# EAGLE board 14202-RedBoard-Panel (EAGLE 9.0.1), part 1 of 6 (continued)
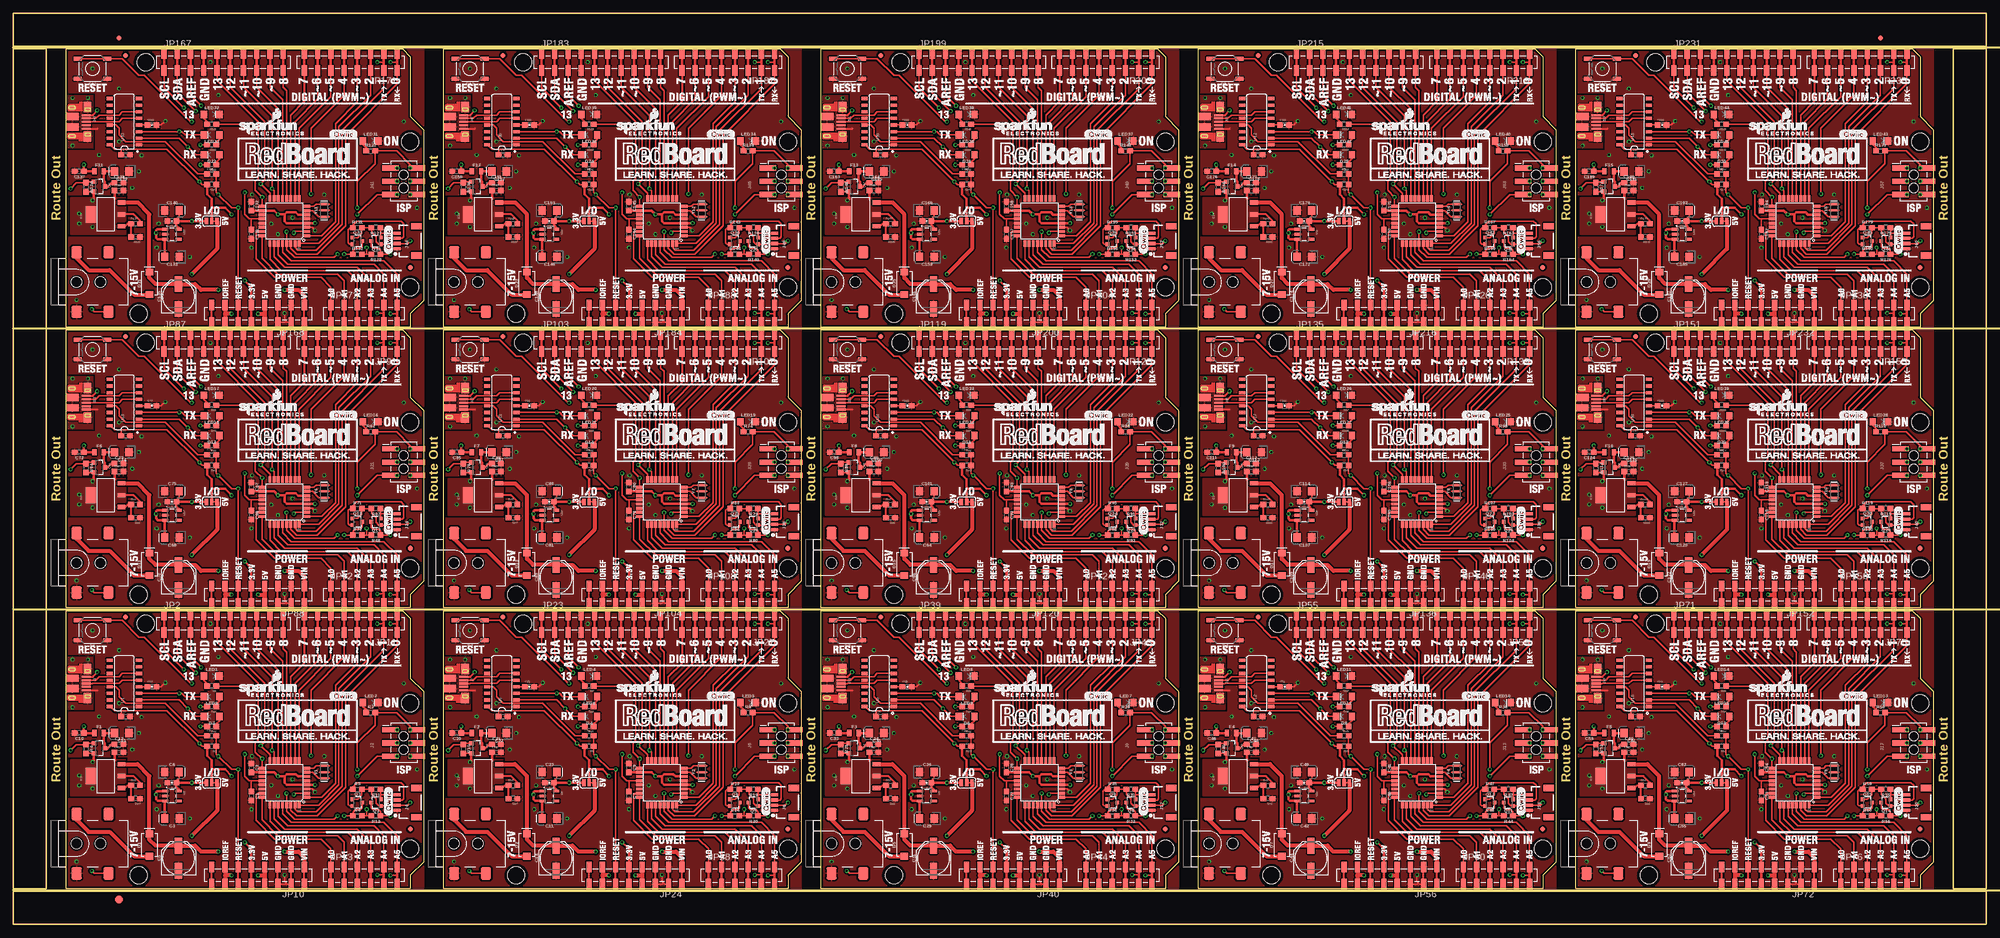
[diagram p0: board, top side]
## Placement (x,y rotation side) (continued)
JP10  [1X08_SMD_COMBINED]  55.88,9.4 180 top
JP11  JP11  [1X08_SMD_COMBINED@1]  73.66,57.66 180 top
JP12  [SMT-JUMPER_2_NC_TRACE_SILK]  72.39,19.18 270 bottom
JP13  [1X06_SMD_STRAIGHT_COMBO]  60.96,9.4 0 top
JP14  [SMT-JUMPER_2_NC_TRACE_SILK]  63.5,19.18 270 bottom
JP15  FIDUCIAL1X2  [FIDUCIAL-1X2]  21.59,58.93 0 bottom
JP16  FIDUCIAL1X2  [FIDUCIAL-1X2]  76.2,18.29 0 bottom
JP17  STAND-OFF  [STAND-OFF]  96.52,9.4 0 top
JP18  STAND-OFF  [STAND-OFF]  148.59,14.48 0 top
JP19  STAND-OFF  [STAND-OFF]  148.59,42.42 0 top
JP20  STAND-OFF  [STAND-OFF]  97.79,57.66 0 top
JP21  FIDUCIAL1X2  [FIDUCIAL-1X2]  148.59,18.29 0 top
JP22  FIDUCIAL1X2  [FIDUCIAL-1X2]  93.98,58.93 0 top
JP23  M10SMD_COMBO  [1X10_SMD_COMBINED]  101.35,57.66 0 top
JP24  [1X08_SMD_COMBINED]  128.27,9.4 180 top
JP25  SFE_LOGO_NAME.1_INCH  [SFE_LOGO_NAME_.1]  115.34,43.31 0 top
JP26  SFE_LOGO_FLAME.1_INCH  [SFE_LOGO_FLAME_.1]  121.82,45.85 0 top
JP27  JP11  [1X08_SMD_COMBINED@1]  146.05,57.66 180 top
JP28  [1X06_SMD_STRAIGHT_COMBO]  133.35,9.4 0 top
JP29  [SMT-JUMPER_2_NC_TRACE_SILK]  144.78,19.18 270 bottom
JP30  [SMT-JUMPER_2_NC_TRACE_SILK]  135.89,19.18 270 bottom
JP31  FIDUCIAL1X2  [FIDUCIAL-1X2]  93.98,58.93 0 bottom
JP32  FIDUCIAL1X2  [FIDUCIAL-1X2]  148.59,18.29 0 bottom
JP33  STAND-OFF  [STAND-OFF]  168.91,9.4 0 top
JP34  STAND-OFF  [STAND-OFF]  220.98,14.48 0 top
JP35  STAND-OFF  [STAND-OFF]  220.98,42.42 0 top
JP36  STAND-OFF  [STAND-OFF]  170.18,57.66 0 top
JP37  FIDUCIAL1X2  [FIDUCIAL-1X2]  220.98,18.29 0 top
JP38  FIDUCIAL1X2  [FIDUCIAL-1X2]  166.37,58.93 0 top
JP39  M10SMD_COMBO  [1X10_SMD_COMBINED]  173.74,57.66 0 top
JP40  [1X08_SMD_COMBINED]  200.66,9.4 180 top
JP41  SFE_LOGO_NAME.1_INCH  [SFE_LOGO_NAME_.1]  187.73,43.31 0 top
JP42  SFE_LOGO_FLAME.1_INCH  [SFE_LOGO_FLAME_.1]  194.21,45.85 0 top
JP43  JP11  [1X08_SMD_COMBINED@1]  218.44,57.66 180 top
JP44  [1X06_SMD_STRAIGHT_COMBO]  205.74,9.4 0 top
JP45  [SMT-JUMPER_2_NC_TRACE_SILK]  217.17,19.18 270 bottom
JP46  [SMT-JUMPER_2_NC_TRACE_SILK]  208.28,19.18 270 bottom
JP47  FIDUCIAL1X2  [FIDUCIAL-1X2]  166.37,58.93 0 bottom
JP48  FIDUCIAL1X2  [FIDUCIAL-1X2]  220.98,18.29 0 bottom
JP49  STAND-OFF  [STAND-OFF]  241.3,9.4 0 top
JP50  STAND-OFF  [STAND-OFF]  293.37,14.48 0 top
JP51  STAND-OFF  [STAND-OFF]  293.37,42.42 0 top
JP52  STAND-OFF  [STAND-OFF]  242.57,57.66 0 top
JP53  FIDUCIAL1X2  [FIDUCIAL-1X2]  293.37,18.29 0 top
JP54  FIDUCIAL1X2  [FIDUCIAL-1X2]  238.76,58.93 0 top
JP55  M10SMD_COMBO  [1X10_SMD_COMBINED]  246.13,57.66 0 top
JP56  [1X08_SMD_COMBINED]  273.05,9.4 180 top
JP57  SFE_LOGO_NAME.1_INCH  [SFE_LOGO_NAME_.1]  260.12,43.31 0 top
JP58  SFE_LOGO_FLAME.1_INCH  [SFE_LOGO_FLAME_.1]  266.6,45.85 0 top
JP59  JP11  [1X08_SMD_COMBINED@1]  290.83,57.66 180 top
JP60  [1X06_SMD_STRAIGHT_COMBO]  278.13,9.4 0 top
JP61  [SMT-JUMPER_2_NC_TRACE_SILK]  289.56,19.18 270 bottom
JP62  [SMT-JUMPER_2_NC_TRACE_SILK]  280.67,19.18 270 bottom
JP63  FIDUCIAL1X2  [FIDUCIAL-1X2]  238.76,58.93 0 bottom
JP64  FIDUCIAL1X2  [FIDUCIAL-1X2]  293.37,18.29 0 bottom
JP65  STAND-OFF  [STAND-OFF]  313.69,9.4 0 top
JP66  STAND-OFF  [STAND-OFF]  365.76,14.48 0 top
JP67  STAND-OFF  [STAND-OFF]  365.76,42.42 0 top
JP68  STAND-OFF  [STAND-OFF]  314.96,57.66 0 top
JP69  FIDUCIAL1X2  [FIDUCIAL-1X2]  365.76,18.29 0 top
JP70  FIDUCIAL1X2  [FIDUCIAL-1X2]  311.15,58.93 0 top
JP71  M10SMD_COMBO  [1X10_SMD_COMBINED]  318.52,57.66 0 top
JP72  [1X08_SMD_COMBINED]  345.44,9.4 180 top
JP73  SFE_LOGO_NAME.1_INCH  [SFE_LOGO_NAME_.1]  332.51,43.31 0 top
JP74  SFE_LOGO_FLAME.1_INCH  [SFE_LOGO_FLAME_.1]  338.99,45.85 0 top
JP75  JP11  [1X08_SMD_COMBINED@1]  363.22,57.66 180 top
JP76  [1X06_SMD_STRAIGHT_COMBO]  350.52,9.4 0 top
JP77  [SMT-JUMPER_2_NC_TRACE_SILK]  361.95,19.18 270 bottom
JP78  [SMT-JUMPER_2_NC_TRACE_SILK]  353.06,19.18 270 bottom
JP79  FIDUCIAL1X2  [FIDUCIAL-1X2]  311.15,58.93 0 bottom
JP80  FIDUCIAL1X2  [FIDUCIAL-1X2]  365.76,18.29 0 bottom
JP81  STAND-OFF  [STAND-OFF]  24.13,63.25 0 top
JP82  STAND-OFF  [STAND-OFF]  76.2,68.33 0 top
JP83  STAND-OFF  [STAND-OFF]  76.2,96.27 0 top
JP84  STAND-OFF  [STAND-OFF]  25.4,111.51 0 top
JP85  FIDUCIAL1X2  [FIDUCIAL-1X2]  76.2,72.14 0 top
JP86  FIDUCIAL1X2  [FIDUCIAL-1X2]  21.59,112.78 0 top
JP87  M10SMD_COMBO  [1X10_SMD_COMBINED]  28.96,111.51 0 top
JP88  [1X08_SMD_COMBINED]  55.88,63.25 180 top
JP89  SFE_LOGO_NAME.1_INCH  [SFE_LOGO_NAME_.1]  42.95,97.16 0 top
JP90  SFE_LOGO_FLAME.1_INCH  [SFE_LOGO_FLAME_.1]  49.43,99.7 0 top
JP91  JP11  [1X08_SMD_COMBINED@1]  73.66,111.51 180 top
JP92  [1X06_SMD_STRAIGHT_COMBO]  60.96,63.25 0 top
JP93  [SMT-JUMPER_2_NC_TRACE_SILK]  72.39,73.03 270 bottom
JP94  [SMT-JUMPER_2_NC_TRACE_SILK]  63.5,73.03 270 bottom
JP95  FIDUCIAL1X2  [FIDUCIAL-1X2]  21.59,112.78 0 bottom
JP96  FIDUCIAL1X2  [FIDUCIAL-1X2]  76.2,72.14 0 bottom
JP97  STAND-OFF  [STAND-OFF]  96.52,63.25 0 top
JP98  STAND-OFF  [STAND-OFF]  148.59,68.33 0 top
JP99  STAND-OFF  [STAND-OFF]  148.59,96.27 0 top
JP100  STAND-OFF  [STAND-OFF]  97.79,111.51 0 top
JP101  FIDUCIAL1X2  [FIDUCIAL-1X2]  148.59,72.14 0 top
JP102  FIDUCIAL1X2  [FIDUCIAL-1X2]  93.98,112.78 0 top
JP103  M10SMD_COMBO  [1X10_SMD_COMBINED]  101.35,111.51 0 top
JP104  [1X08_SMD_COMBINED]  128.27,63.25 180 top
JP105  SFE_LOGO_NAME.1_INCH  [SFE_LOGO_NAME_.1]  115.34,97.16 0 top
JP106  SFE_LOGO_FLAME.1_INCH  [SFE_LOGO_FLAME_.1]  121.82,99.7 0 top
JP107  JP11  [1X08_SMD_COMBINED@1]  146.05,111.51 180 top
JP108  [1X06_SMD_STRAIGHT_COMBO]  133.35,63.25 0 top
JP109  [SMT-JUMPER_2_NC_TRACE_SILK]  144.78,73.03 270 bottom
JP110  [SMT-JUMPER_2_NC_TRACE_SILK]  135.89,73.03 270 bottom
JP111  FIDUCIAL1X2  [FIDUCIAL-1X2]  93.98,112.78 0 bottom
JP112  FIDUCIAL1X2  [FIDUCIAL-1X2]  148.59,72.14 0 bottom
JP113  STAND-OFF  [STAND-OFF]  168.91,63.25 0 top
JP114  STAND-OFF  [STAND-OFF]  220.98,68.33 0 top
JP115  STAND-OFF  [STAND-OFF]  220.98,96.27 0 top
JP116  STAND-OFF  [STAND-OFF]  170.18,111.51 0 top
JP117  FIDUCIAL1X2  [FIDUCIAL-1X2]  220.98,72.14 0 top
JP118  FIDUCIAL1X2  [FIDUCIAL-1X2]  166.37,112.78 0 top
JP119  M10SMD_COMBO  [1X10_SMD_COMBINED]  173.74,111.51 0 top
JP120  [1X08_SMD_COMBINED]  200.66,63.25 180 top
JP121  SFE_LOGO_NAME.1_INCH  [SFE_LOGO_NAME_.1]  187.73,97.16 0 top
JP122  SFE_LOGO_FLAME.1_INCH  [SFE_LOGO_FLAME_.1]  194.21,99.7 0 top
JP123  JP11  [1X08_SMD_COMBINED@1]  218.44,111.51 180 top
JP124  [1X06_SMD_STRAIGHT_COMBO]  205.74,63.25 0 top
JP125  [SMT-JUMPER_2_NC_TRACE_SILK]  217.17,73.03 270 bottom
JP126  [SMT-JUMPER_2_NC_TRACE_SILK]  208.28,73.03 270 bottom
JP127  FIDUCIAL1X2  [FIDUCIAL-1X2]  166.37,112.78 0 bottom
JP128  FIDUCIAL1X2  [FIDUCIAL-1X2]  220.98,72.14 0 bottom
JP129  STAND-OFF  [STAND-OFF]  241.3,63.25 0 top
JP130  STAND-OFF  [STAND-OFF]  293.37,68.33 0 top
JP131  STAND-OFF  [STAND-OFF]  293.37,96.27 0 top
JP132  STAND-OFF  [STAND-OFF]  242.57,111.51 0 top
JP133  FIDUCIAL1X2  [FIDUCIAL-1X2]  293.37,72.14 0 top
JP134  FIDUCIAL1X2  [FIDUCIAL-1X2]  238.76,112.78 0 top
JP135  M10SMD_COMBO  [1X10_SMD_COMBINED]  246.13,111.51 0 top
JP136  [1X08_SMD_COMBINED]  273.05,63.25 180 top
JP137  SFE_LOGO_NAME.1_INCH  [SFE_LOGO_NAME_.1]  260.12,97.16 0 top
JP138  SFE_LOGO_FLAME.1_INCH  [SFE_LOGO_FLAME_.1]  266.6,99.7 0 top
JP139  JP11  [1X08_SMD_COMBINED@1]  290.83,111.51 180 top
JP140  [1X06_SMD_STRAIGHT_COMBO]  278.13,63.25 0 top
JP141  [SMT-JUMPER_2_NC_TRACE_SILK]  289.56,73.03 270 bottom
JP142  [SMT-JUMPER_2_NC_TRACE_SILK]  280.67,73.03 270 bottom
JP143  FIDUCIAL1X2  [FIDUCIAL-1X2]  238.76,112.78 0 bottom
JP144  FIDUCIAL1X2  [FIDUCIAL-1X2]  293.37,72.14 0 bottom
JP145  STAND-OFF  [STAND-OFF]  313.69,63.25 0 top
JP146  STAND-OFF  [STAND-OFF]  365.76,68.33 0 top
JP147  STAND-OFF  [STAND-OFF]  365.76,96.27 0 top
JP148  STAND-OFF  [STAND-OFF]  314.96,111.51 0 top
JP149  FIDUCIAL1X2  [FIDUCIAL-1X2]  365.76,72.14 0 top
JP150  FIDUCIAL1X2  [FIDUCIAL-1X2]  311.15,112.78 0 top
JP151  M10SMD_COMBO  [1X10_SMD_COMBINED]  318.52,111.51 0 top
JP152  [1X08_SMD_COMBINED]  345.44,63.25 180 top
JP153  SFE_LOGO_NAME.1_INCH  [SFE_LOGO_NAME_.1]  332.51,97.16 0 top
JP154  SFE_LOGO_FLAME.1_INCH  [SFE_LOGO_FLAME_.1]  338.99,99.7 0 top
JP155  JP11  [1X08_SMD_COMBINED@1]  363.22,111.51 180 top
JP156  [1X06_SMD_STRAIGHT_COMBO]  350.52,63.25 0 top
JP157  [SMT-JUMPER_2_NC_TRACE_SILK]  361.95,73.03 270 bottom
JP158  [SMT-JUMPER_2_NC_TRACE_SILK]  353.06,73.03 270 bottom
JP159  FIDUCIAL1X2  [FIDUCIAL-1X2]  311.15,112.78 0 bottom
JP160  FIDUCIAL1X2  [FIDUCIAL-1X2]  365.76,72.14 0 bottom
JP161  STAND-OFF  [STAND-OFF]  24.13,117.09 0 top
JP162  STAND-OFF  [STAND-OFF]  76.2,122.17 0 top
JP163  STAND-OFF  [STAND-OFF]  76.2,150.11 0 top
JP164  STAND-OFF  [STAND-OFF]  25.4,165.35 0 top
JP165  FIDUCIAL1X2  [FIDUCIAL-1X2]  76.2,125.98 0 top
JP166  FIDUCIAL1X2  [FIDUCIAL-1X2]  21.59,166.62 0 top
JP167  M10SMD_COMBO  [1X10_SMD_COMBINED]  28.96,165.35 0 top
JP168  [1X08_SMD_COMBINED]  55.88,117.09 180 top
JP169  SFE_LOGO_NAME.1_INCH  [SFE_LOGO_NAME_.1]  42.95,151 0 top
JP170  SFE_LOGO_FLAME.1_INCH  [SFE_LOGO_FLAME_.1]  49.43,153.54 0 top
JP171  JP11  [1X08_SMD_COMBINED@1]  73.66,165.35 180 top
JP172  [1X06_SMD_STRAIGHT_COMBO]  60.96,117.09 0 top
JP173  [SMT-JUMPER_2_NC_TRACE_SILK]  72.39,126.87 270 bottom
JP174  [SMT-JUMPER_2_NC_TRACE_SILK]  63.5,126.87 270 bottom
JP175  FIDUCIAL1X2  [FIDUCIAL-1X2]  21.59,166.62 0 bottom
JP176  FIDUCIAL1X2  [FIDUCIAL-1X2]  76.2,125.98 0 bottom
JP177  STAND-OFF  [STAND-OFF]  96.52,117.09 0 top
JP178  STAND-OFF  [STAND-OFF]  148.59,122.17 0 top
JP179  STAND-OFF  [STAND-OFF]  148.59,150.11 0 top
JP180  STAND-OFF  [STAND-OFF]  97.79,165.35 0 top
JP181  FIDUCIAL1X2  [FIDUCIAL-1X2]  148.59,125.98 0 top
JP182  FIDUCIAL1X2  [FIDUCIAL-1X2]  93.98,166.62 0 top
JP183  M10SMD_COMBO  [1X10_SMD_COMBINED]  101.35,165.35 0 top
JP184  [1X08_SMD_COMBINED]  128.27,117.09 180 top
JP185  SFE_LOGO_NAME.1_INCH  [SFE_LOGO_NAME_.1]  115.34,151 0 top
JP186  SFE_LOGO_FLAME.1_INCH  [SFE_LOGO_FLAME_.1]  121.82,153.54 0 top
JP187  JP11  [1X08_SMD_COMBINED@1]  146.05,165.35 180 top
JP188  [1X06_SMD_STRAIGHT_COMBO]  133.35,117.09 0 top
JP189  [SMT-JUMPER_2_NC_TRACE_SILK]  144.78,126.87 270 bottom
JP190  [SMT-JUMPER_2_NC_TRACE_SILK]  135.89,126.87 270 bottom
JP191  FIDUCIAL1X2  [FIDUCIAL-1X2]  93.98,166.62 0 bottom
JP192  FIDUCIAL1X2  [FIDUCIAL-1X2]  148.59,125.98 0 bottom
JP193  STAND-OFF  [STAND-OFF]  168.91,117.09 0 top
JP194  STAND-OFF  [STAND-OFF]  220.98,122.17 0 top
JP195  STAND-OFF  [STAND-OFF]  220.98,150.11 0 top
JP196  STAND-OFF  [STAND-OFF]  170.18,165.35 0 top
JP197  FIDUCIAL1X2  [FIDUCIAL-1X2]  220.98,125.98 0 top
JP198  FIDUCIAL1X2  [FIDUCIAL-1X2]  166.37,166.62 0 top
JP199  M10SMD_COMBO  [1X10_SMD_COMBINED]  173.74,165.35 0 top
JP200  [1X08_SMD_COMBINED]  200.66,117.09 180 top
JP201  SFE_LOGO_NAME.1_INCH  [SFE_LOGO_NAME_.1]  187.73,151 0 top
JP202  SFE_LOGO_FLAME.1_INCH  [SFE_LOGO_FLAME_.1]  194.21,153.54 0 top
JP203  JP11  [1X08_SMD_COMBINED@1]  218.44,165.35 180 top
JP204  [1X06_SMD_STRAIGHT_COMBO]  205.74,117.09 0 top
JP205  [SMT-JUMPER_2_NC_TRACE_SILK]  217.17,126.87 270 bottom
JP206  [SMT-JUMPER_2_NC_TRACE_SILK]  208.28,126.87 270 bottom
JP207  FIDUCIAL1X2  [FIDUCIAL-1X2]  166.37,166.62 0 bottom
JP208  FIDUCIAL1X2  [FIDUCIAL-1X2]  220.98,125.98 0 bottom
JP209  STAND-OFF  [STAND-OFF]  241.3,117.09 0 top
JP210  STAND-OFF  [STAND-OFF]  293.37,122.17 0 top
JP211  STAND-OFF  [STAND-OFF]  293.37,150.11 0 top
JP212  STAND-OFF  [STAND-OFF]  242.57,165.35 0 top
JP213  FIDUCIAL1X2  [FIDUCIAL-1X2]  293.37,125.98 0 top
JP214  FIDUCIAL1X2  [FIDUCIAL-1X2]  238.76,166.62 0 top
JP215  M10SMD_COMBO  [1X10_SMD_COMBINED]  246.13,165.35 0 top
JP216  [1X08_SMD_COMBINED]  273.05,117.09 180 top
JP217  SFE_LOGO_NAME.1_INCH  [SFE_LOGO_NAME_.1]  260.12,151 0 top
JP218  SFE_LOGO_FLAME.1_INCH  [SFE_LOGO_FLAME_.1]  266.6,153.54 0 top
JP219  JP11  [1X08_SMD_COMBINED@1]  290.83,165.35 180 top
JP220  [1X06_SMD_STRAIGHT_COMBO]  278.13,117.09 0 top
JP221  [SMT-JUMPER_2_NC_TRACE_SILK]  289.56,126.87 270 bottom
JP222  [SMT-JUMPER_2_NC_TRACE_SILK]  280.67,126.87 270 bottom
JP223  FIDUCIAL1X2  [FIDUCIAL-1X2]  238.76,166.62 0 bottom
JP224  FIDUCIAL1X2  [FIDUCIAL-1X2]  293.37,125.98 0 bottom
JP225  STAND-OFF  [STAND-OFF]  313.69,117.09 0 top
JP226  STAND-OFF  [STAND-OFF]  365.76,122.17 0 top
JP227  STAND-OFF  [STAND-OFF]  365.76,150.11 0 top
JP228  STAND-OFF  [STAND-OFF]  314.96,165.35 0 top
JP229  FIDUCIAL1X2  [FIDUCIAL-1X2]  365.76,125.98 0 top
JP230  FIDUCIAL1X2  [FIDUCIAL-1X2]  311.15,166.62 0 top
JP231  M10SMD_COMBO  [1X10_SMD_COMBINED]  318.52,165.35 0 top
JP232  [1X08_SMD_COMBINED]  345.44,117.09 180 top
JP233  SFE_LOGO_NAME.1_INCH  [SFE_LOGO_NAME_.1]  332.51,151 0 top
JP234  SFE_LOGO_FLAME.1_INCH  [SFE_LOGO_FLAME_.1]  338.99,153.54 0 top
JP235  JP11  [1X08_SMD_COMBINED@1]  363.22,165.35 180 top
JP236  [1X06_SMD_STRAIGHT_COMBO]  350.52,117.09 0 top
JP237  [SMT-JUMPER_2_NC_TRACE_SILK]  361.95,126.87 270 bottom
JP238  [SMT-JUMPER_2_NC_TRACE_SILK]  353.06,126.87 270 bottom
JP239  FIDUCIAL1X2  [FIDUCIAL-1X2]  311.15,166.62 0 bottom
JP240  FIDUCIAL1X2  [FIDUCIAL-1X2]  365.76,125.98 0 bottom
LED1  Blue  [LED-1206-HIDDENSILK]  38.1,47.62 0 top
LED2  GREEN  [LED-1206-HIDDENSILK]  68.58,42.54 0 top
LED3  GREEN  [LED-1206-HIDDENSILK]  140.97,42.54 0 top
LED4  Blue  [LED-1206-HIDDENSILK]  110.49,47.62 0 top
LED5  GREEN  [LED-1206-HIDDENSILK]  38.1,43.69 180 top
LED6  GREEN  [LED-1206-HIDDENSILK]  110.49,43.69 180 top
LED7  GREEN  [LED-1206-HIDDENSILK]  213.36,42.54 0 top
LED8  Blue  [LED-1206-HIDDENSILK]  182.88,47.62 0 top
LED9  GREEN  [LED-1206-HIDDENSILK]  182.88,43.69 180 top
LED10  GREEN  [LED-1206-HIDDENSILK]  285.75,42.54 0 top
LED11  Blue  [LED-1206-HIDDENSILK]  255.27,47.62 0 top
LED12  GREEN  [LED-1206-HIDDENSILK]  255.27,43.69 180 top
LED13  GREEN  [LED-1206-HIDDENSILK]  358.14,42.54 0 top
LED14  Blue  [LED-1206-HIDDENSILK]  327.66,47.62 0 top
LED15  GREEN  [LED-1206-HIDDENSILK]  327.66,43.69 180 top
LED16  GREEN  [LED-1206-HIDDENSILK]  68.58,96.39 0 top
LED17  Blue  [LED-1206-HIDDENSILK]  38.1,101.47 0 top
LED18  GREEN  [LED-1206-HIDDENSILK]  38.1,97.54 180 top
LED19  GREEN  [LED-1206-HIDDENSILK]  140.97,96.39 0 top
LED20  Blue  [LED-1206-HIDDENSILK]  110.49,101.47 0 top
LED21  GREEN  [LED-1206-HIDDENSILK]  110.49,97.54 180 top
LED22  GREEN  [LED-1206-HIDDENSILK]  213.36,96.39 0 top
LED23  Blue  [LED-1206-HIDDENSILK]  182.88,101.47 0 top
LED24  GREEN  [LED-1206-HIDDENSILK]  182.88,97.54 180 top
LED25  GREEN  [LED-1206-HIDDENSILK]  285.75,96.39 0 top
LED26  Blue  [LED-1206-HIDDENSILK]  255.27,101.47 0 top
LED27  GREEN  [LED-1206-HIDDENSILK]  255.27,97.54 180 top
LED28  GREEN  [LED-1206-HIDDENSILK]  358.14,96.39 0 top
LED29  Blue  [LED-1206-HIDDENSILK]  327.66,101.47 0 top
LED30  GREEN  [LED-1206-HIDDENSILK]  327.66,97.54 180 top
LED31  GREEN  [LED-1206-HIDDENSILK]  68.58,150.24 0 top
LED32  Blue  [LED-1206-HIDDENSILK]  38.1,155.32 0 top
LED33  GREEN  [LED-1206-HIDDENSILK]  38.1,151.38 180 top
LED34  GREEN  [LED-1206-HIDDENSILK]  140.97,150.24 0 top
LED35  Blue  [LED-1206-HIDDENSILK]  110.49,155.32 0 top
LED36  GREEN  [LED-1206-HIDDENSILK]  110.49,151.38 180 top
LED37  GREEN  [LED-1206-HIDDENSILK]  213.36,150.24 0 top
LED38  Blue  [LED-1206-HIDDENSILK]  182.88,155.32 0 top
LED39  GREEN  [LED-1206-HIDDENSILK]  182.88,151.38 180 top
LED40  GREEN  [LED-1206-HIDDENSILK]  285.75,150.24 0 top
LED41  Blue  [LED-1206-HIDDENSILK]  255.27,155.32 0 top
LED42  GREEN  [LED-1206-HIDDENSILK]  255.27,151.38 180 top
LED43  GREEN  [LED-1206-HIDDENSILK]  358.14,150.24 0 top
LED44  Blue  [LED-1206-HIDDENSILK]  327.66,155.32 0 top
LED45  GREEN  [LED-1206-HIDDENSILK]  327.66,151.38 180 top
Q1  1A/60V/500mΩ  [SOT23-3]  16.51,33.78 270 top
Q2  2N7002PW  [SOT323]  69.6,23.37 90 top
Q3  2N7002PW  [SOT323]  66.04,23.37 270 top
Q4  1A/60V/500mΩ  [SOT23-3]  88.9,33.78 270 top
Q5  2N7002PW  [SOT323]  141.99,23.37 90 top
Q6  2N7002PW  [SOT323]  138.43,23.37 270 top
Q7  1A/60V/500mΩ  [SOT23-3]  161.29,33.78 270 top
Q8  2N7002PW  [SOT323]  214.38,23.37 90 top
Q9  2N7002PW  [SOT323]  210.82,23.37 270 top
Q10  1A/60V/500mΩ  [SOT23-3]  233.68,33.78 270 top
Q11  2N7002PW  [SOT323]  286.77,23.37 90 top
Q12  2N7002PW  [SOT323]  283.21,23.37 270 top
Q13  1A/60V/500mΩ  [SOT23-3]  306.07,33.78 270 top
Q14  2N7002PW  [SOT323]  359.16,23.37 90 top
Q15  2N7002PW  [SOT323]  355.6,23.37 270 top
Q16  1A/60V/500mΩ  [SOT23-3]  16.51,87.63 270 top
Q17  2N7002PW  [SOT323]  69.6,77.22 90 top
Q18  2N7002PW  [SOT323]  66.04,77.22 270 top
Q19  1A/60V/500mΩ  [SOT23-3]  88.9,87.63 270 top
Q20  2N7002PW  [SOT323]  141.99,77.22 90 top
Q21  2N7002PW  [SOT323]  138.43,77.22 270 top
Q22  1A/60V/500mΩ  [SOT23-3]  161.29,87.63 270 top
Q23  2N7002PW  [SOT323]  214.38,77.22 90 top
Q24  2N7002PW  [SOT323]  210.82,77.22 270 top
Q25  1A/60V/500mΩ  [SOT23-3]  233.68,87.63 270 top
Q26  2N7002PW  [SOT323]  286.77,77.22 90 top
Q27  2N7002PW  [SOT323]  283.21,77.22 270 top
Q28  1A/60V/500mΩ  [SOT23-3]  306.07,87.63 270 top
Q29  2N7002PW  [SOT323]  359.16,77.22 90 top
Q30  2N7002PW  [SOT323]  355.6,77.22 270 top
Q31  1A/60V/500mΩ  [SOT23-3]  16.51,141.48 270 top
Q32  2N7002PW  [SOT323]  69.6,131.06 90 top
Q33  2N7002PW  [SOT323]  66.04,131.06 270 top
Q34  1A/60V/500mΩ  [SOT23-3]  88.9,141.48 270 top
Q35  2N7002PW  [SOT323]  141.99,131.06 90 top
Q36  2N7002PW  [SOT323]  138.43,131.06 270 top
Q37  1A/60V/500mΩ  [SOT23-3]  161.29,141.48 270 top
Q38  2N7002PW  [SOT323]  214.38,131.06 90 top
Q39  2N7002PW  [SOT323]  210.82,131.06 270 top
Q40  1A/60V/500mΩ  [SOT23-3]  233.68,141.48 270 top
Q41  2N7002PW  [SOT323]  286.77,131.06 90 top
Q42  2N7002PW  [SOT323]  283.21,131.06 270 top
Q43  1A/60V/500mΩ  [SOT23-3]  306.07,141.48 270 top
Q44  2N7002PW  [SOT323]  359.16,131.06 90 top
Q45  2N7002PW  [SOT323]  355.6,131.06 270 top
R1  4.7k  [0603]  38.1,45.72 180 top
R2  10k  [0603]  68.58,40.64 0 top
R3  10k  [0603]  38.1,34.16 180 top
R4  10k  [0603]  13.97,33.66 270 top
R5  2.2k  [0603]  66.04,25.91 0 top
R6  2.2k  [0603]  66.04,20.83 0 top
R7  4.7k  [0603]  110.49,45.72 180 top
R8  10k  [0603]  140.97,40.64 0 top
R9  10k  [0603]  110.49,34.16 180 top
R10  10k  [0603]  86.36,33.66 270 top
R11  2.2k  [0603]  69.6,25.91 180 top
R12  4.7k  [0603]  38.1,37.97 180 top
R13  2.2k  [0603]  69.6,20.83 180 top
R14  715  [0603]  23.5,24.13 180 top
R15  240  [0603]  23.5,26.67 0 top
R16  4.7k  [0603]  38.1,41.78 180 top
R17  715  [0603]  95.88,24.13 180 top
R18  240  [0603]  95.88,26.67 0 top
R19  2.2k  [0603]  141.99,25.91 180 top
R20  2.2k  [0603]  141.99,20.83 180 top
R21  4.7k  [0603]  110.49,37.97 180 top
R22  4.7k  [0603]  110.49,41.78 180 top
R23  2.2k  [0603]  138.43,25.91 0 top
R24  2.2k  [0603]  138.43,20.83 0 top
R25  4.7k  [0603]  182.88,45.72 180 top
R26  10k  [0603]  213.36,40.64 0 top
R27  10k  [0603]  182.88,34.16 180 top
R28  10k  [0603]  158.75,33.66 270 top
R29  715  [0603]  168.28,24.13 180 top
R30  240  [0603]  168.28,26.67 0 top
R31  2.2k  [0603]  214.38,25.91 180 top
R32  2.2k  [0603]  214.38,20.83 180 top
R33  4.7k  [0603]  182.88,37.97 180 top
R34  4.7k  [0603]  182.88,41.78 180 top
R35  2.2k  [0603]  210.82,25.91 0 top
R36  2.2k  [0603]  210.82,20.83 0 top
R37  4.7k  [0603]  255.27,45.72 180 top
R38  10k  [0603]  285.75,40.64 0 top
R39  10k  [0603]  255.27,34.16 180 top
R40  10k  [0603]  231.14,33.66 270 top
R41  715  [0603]  240.66,24.13 180 top
R42  240  [0603]  240.66,26.67 0 top
R43  2.2k  [0603]  286.77,25.91 180 top
R44  2.2k  [0603]  286.77,20.83 180 top
R45  4.7k  [0603]  255.27,37.97 180 top
R46  4.7k  [0603]  255.27,41.78 180 top
R47  2.2k  [0603]  283.21,25.91 0 top
R48  2.2k  [0603]  283.21,20.83 0 top
R49  4.7k  [0603]  327.66,45.72 180 top
R50  10k  [0603]  358.14,40.64 0 top
R51  10k  [0603]  327.66,34.16 180 top
R52  10k  [0603]  303.53,33.66 270 top
R53  715  [0603]  313.06,24.13 180 top
R54  240  [0603]  313.06,26.67 0 top
R55  2.2k  [0603]  359.16,25.91 180 top
R56  2.2k  [0603]  359.16,20.83 180 top
R57  4.7k  [0603]  327.66,37.97 180 top
R58  4.7k  [0603]  327.66,41.78 180 top
R59  2.2k  [0603]  355.6,25.91 0 top
R60  2.2k  [0603]  355.6,20.83 0 top
R61  4.7k  [0603]  38.1,99.57 180 top
R62  10k  [0603]  68.58,94.49 0 top
R63  10k  [0603]  38.1,88.01 180 top
R64  10k  [0603]  13.97,87.5 270 top
R65  715  [0603]  23.5,77.98 180 top
R66  240  [0603]  23.5,80.52 0 top
R67  2.2k  [0603]  69.6,79.76 180 top
R68  2.2k  [0603]  69.6,74.68 180 top
R69  4.7k  [0603]  38.1,91.82 180 top
R70  4.7k  [0603]  38.1,95.63 180 top
R71  2.2k  [0603]  66.04,79.76 0 top
R72  2.2k  [0603]  66.04,74.68 0 top
R73  4.7k  [0603]  110.49,99.57 180 top
R74  10k  [0603]  140.97,94.49 0 top
R75  10k  [0603]  110.49,88.01 180 top
R76  10k  [0603]  86.36,87.5 270 top
R77  715  [0603]  95.88,77.98 180 top
R78  240  [0603]  95.88,80.52 0 top
R79  2.2k  [0603]  141.99,79.76 180 top
R80  2.2k  [0603]  141.99,74.68 180 top
R81  4.7k  [0603]  110.49,91.82 180 top
R82  4.7k  [0603]  110.49,95.63 180 top
R83  2.2k  [0603]  138.43,79.76 0 top
R84  2.2k  [0603]  138.43,74.68 0 top
R85  4.7k  [0603]  182.88,99.57 180 top
R86  10k  [0603]  213.36,94.49 0 top
R87  10k  [0603]  182.88,88.01 180 top
R88  10k  [0603]  158.75,87.5 270 top
R89  715  [0603]  168.28,77.98 180 top
R90  240  [0603]  168.28,80.52 0 top
R91  2.2k  [0603]  214.38,79.76 180 top
R92  2.2k  [0603]  214.38,74.68 180 top
R93  4.7k  [0603]  182.88,91.82 180 top
R94  4.7k  [0603]  182.88,95.63 180 top
R95  2.2k  [0603]  210.82,79.76 0 top
R96  2.2k  [0603]  210.82,74.68 0 top
R97  4.7k  [0603]  255.27,99.57 180 top
R98  10k  [0603]  285.75,94.49 0 top
R99  10k  [0603]  255.27,88.01 180 top
R100  10k  [0603]  231.14,87.5 270 top
R101  715  [0603]  240.66,77.98 180 top
R102  240  [0603]  240.66,80.52 0 top
R103  2.2k  [0603]  286.77,79.76 180 top
R104  2.2k  [0603]  286.77,74.68 180 top
R105  4.7k  [0603]  255.27,91.82 180 top
R106  4.7k  [0603]  255.27,95.63 180 top
R107  2.2k  [0603]  283.21,79.76 0 top
R108  2.2k  [0603]  283.21,74.68 0 top
R109  4.7k  [0603]  327.66,99.57 180 top
R110  10k  [0603]  358.14,94.49 0 top
R111  10k  [0603]  327.66,88.01 180 top
R112  10k  [0603]  303.53,87.5 270 top
R113  715  [0603]  313.06,77.98 180 top
R114  240  [0603]  313.06,80.52 0 top
R115  2.2k  [0603]  359.16,79.76 180 top
R116  2.2k  [0603]  359.16,74.68 180 top
R117  4.7k  [0603]  327.66,91.82 180 top
R118  4.7k  [0603]  327.66,95.63 180 top
R119  2.2k  [0603]  355.6,79.76 0 top
R120  2.2k  [0603]  355.6,74.68 0 top
R121  4.7k  [0603]  38.1,153.42 180 top
R122  10k  [0603]  68.58,148.34 0 top
R123  10k  [0603]  38.1,141.86 180 top
R124  10k  [0603]  13.97,141.35 270 top
R125  715  [0603]  23.5,131.83 180 top
R126  240  [0603]  23.5,134.37 0 top
R127  2.2k  [0603]  69.6,133.6 180 top
R128  2.2k  [0603]  69.6,128.52 180 top
R129  4.7k  [0603]  38.1,145.67 180 top
R130  4.7k  [0603]  38.1,149.48 180 top
R131  2.2k  [0603]  66.04,133.6 0 top
R132  2.2k  [0603]  66.04,128.52 0 top
R133  4.7k  [0603]  110.49,153.42 180 top
R134  10k  [0603]  140.97,148.34 0 top
R135  10k  [0603]  110.49,141.86 180 top
R136  10k  [0603]  86.36,141.35 270 top
R137  715  [0603]  95.88,131.83 180 top
R138  240  [0603]  95.88,134.37 0 top
R139  2.2k  [0603]  141.99,133.6 180 top
R140  2.2k  [0603]  141.99,128.52 180 top
R141  4.7k  [0603]  110.49,145.67 180 top
R142  4.7k  [0603]  110.49,149.48 180 top
R143  2.2k  [0603]  138.43,133.6 0 top
R144  2.2k  [0603]  138.43,128.52 0 top
R145  4.7k  [0603]  182.88,153.42 180 top
R146  10k  [0603]  213.36,148.34 0 top
R147  10k  [0603]  182.88,141.86 180 top
R148  10k  [0603]  158.75,141.35 270 top
R149  715  [0603]  168.28,131.83 180 top
R150  240  [0603]  168.28,134.37 0 top
R151  2.2k  [0603]  214.38,133.6 180 top
R152  2.2k  [0603]  214.38,128.52 180 top
R153  4.7k  [0603]  182.88,145.67 180 top
R154  4.7k  [0603]  182.88,149.48 180 top
R155  2.2k  [0603]  210.82,133.6 0 top
R156  2.2k  [0603]  210.82,128.52 0 top
R157  4.7k  [0603]  255.27,153.42 180 top
R158  10k  [0603]  285.75,148.34 0 top
R159  10k  [0603]  255.27,141.86 180 top
R160  10k  [0603]  231.14,141.35 270 top
R161  715  [0603]  240.66,131.83 180 top
R162  240  [0603]  240.66,134.37 0 top
R163  2.2k  [0603]  286.77,133.6 180 top
R164  2.2k  [0603]  286.77,128.52 180 top
R165  4.7k  [0603]  255.27,145.67 180 top
R166  4.7k  [0603]  255.27,149.48 180 top
R167  2.2k  [0603]  283.21,133.6 0 top
R168  2.2k  [0603]  283.21,128.52 0 top
R169  4.7k  [0603]  327.66,153.42 180 top
R170  10k  [0603]  358.14,148.34 0 top
R171  10k  [0603]  327.66,141.86 180 top
R172  10k  [0603]  303.53,141.35 270 top
R173  715  [0603]  313.06,131.83 180 top
R174  240  [0603]  313.06,134.37 0 top
R175  2.2k  [0603]  359.16,133.6 180 top
R176  2.2k  [0603]  359.16,128.52 180 top
R177  4.7k  [0603]  327.66,145.67 180 top
R178  4.7k  [0603]  327.66,149.48 180 top
R179  2.2k  [0603]  355.6,133.6 0 top
R180  2.2k  [0603]  355.6,128.52 0 top
S1  RESET  [TACTILE_SWITCH_SMD_5.2MM]  15.24,56.39 180 top
S2  RESET  [TACTILE_SWITCH_SMD_5.2MM]  87.63,56.39 180 top
S3  RESET  [TACTILE_SWITCH_SMD_5.2MM]  160.02,56.39 180 top
S4  RESET  [TACTILE_SWITCH_SMD_5.2MM]  232.41,56.39 180 top
S5  RESET  [TACTILE_SWITCH_SMD_5.2MM]  304.8,56.39 180 top
S6  RESET  [TACTILE_SWITCH_SMD_5.2MM]  15.24,110.24 180 top
S7  RESET  [TACTILE_SWITCH_SMD_5.2MM]  87.63,110.24 180 top
S8  RESET  [TACTILE_SWITCH_SMD_5.2MM]  160.02,110.24 180 top
S9  RESET  [TACTILE_SWITCH_SMD_5.2MM]  232.41,110.24 180 top
S10  RESET  [TACTILE_SWITCH_SMD_5.2MM]  304.8,110.24 180 top
S11  RESET  [TACTILE_SWITCH_SMD_5.2MM]  15.24,164.08 180 top
S12  RESET  [TACTILE_SWITCH_SMD_5.2MM]  87.63,164.08 180 top
S13  RESET  [TACTILE_SWITCH_SMD_5.2MM]  160.02,164.08 180 top
S14  RESET  [TACTILE_SWITCH_SMD_5.2MM]  232.41,164.08 180 top
S15  RESET  [TACTILE_SWITCH_SMD_5.2MM]  304.8,164.08 180 top
TP1  TP-3x5  [PAD.03X.05]  76.2,37.34 0 bottom
TP2  TP-3x5  [PAD.03X.05]  76.2,34.8 0 bottom
TP3  TP-3x5  [PAD.03X.05]  76.2,32.26 0 bottom
TP4  TP-3x5  [PAD.03X.05]  73.66,37.34 0 bottom
TP5  TP-3x5  [PAD.03X.05]  73.66,34.8 0 bottom
TP6  TP-3x5  [PAD.03X.05]  73.66,32.26 0 bottom
TP7  TP-3x5  [PAD.03X.05]  148.59,37.34 0 bottom
TP8  TP-3x5  [PAD.03X.05]  148.59,34.8 0 bottom
TP9  TP-3x5  [PAD.03X.05]  148.59,32.26 0 bottom
TP10  TP-3x5  [PAD.03X.05]  146.05,37.34 0 bottom
TP11  TP-3x5  [PAD.03X.05]  146.05,34.8 0 bottom
TP12  TP-3x5  [PAD.03X.05]  146.05,32.26 0 bottom
TP13  TP-3x5  [PAD.03X.05]  220.98,37.34 0 bottom
TP14  TP-3x5  [PAD.03X.05]  220.98,34.8 0 bottom
TP15  TP-3x5  [PAD.03X.05]  220.98,32.26 0 bottom
TP16  TP-3x5  [PAD.03X.05]  218.44,37.34 0 bottom
TP17  TP-3x5  [PAD.03X.05]  218.44,34.8 0 bottom
TP18  TP-3x5  [PAD.03X.05]  218.44,32.26 0 bottom
TP19  TP-3x5  [PAD.03X.05]  293.37,37.34 0 bottom
TP20  TP-3x5  [PAD.03X.05]  293.37,34.8 0 bottom
TP21  TP-3x5  [PAD.03X.05]  293.37,32.26 0 bottom
TP22  TP-3x5  [PAD.03X.05]  290.83,37.34 0 bottom
TP23  TP-3x5  [PAD.03X.05]  290.83,34.8 0 bottom
TP24  TP-3x5  [PAD.03X.05]  290.83,32.26 0 bottom
TP25  TP-3x5  [PAD.03X.05]  365.76,37.34 0 bottom
TP26  TP-3x5  [PAD.03X.05]  365.76,34.8 0 bottom
TP27  TP-3x5  [PAD.03X.05]  365.76,32.26 0 bottom
TP28  TP-3x5  [PAD.03X.05]  363.22,37.34 0 bottom
TP29  TP-3x5  [PAD.03X.05]  363.22,34.8 0 bottom
TP30  TP-3x5  [PAD.03X.05]  363.22,32.26 0 bottom
TP31  TP-3x5  [PAD.03X.05]  76.2,91.19 0 bottom
TP32  TP-3x5  [PAD.03X.05]  76.2,88.65 0 bottom
TP33  TP-3x5  [PAD.03X.05]  76.2,86.11 0 bottom
TP34  TP-3x5  [PAD.03X.05]  73.66,91.19 0 bottom
TP35  TP-3x5  [PAD.03X.05]  73.66,88.65 0 bottom
TP36  TP-3x5  [PAD.03X.05]  73.66,86.11 0 bottom
TP37  TP-3x5  [PAD.03X.05]  148.59,91.19 0 bottom
TP38  TP-3x5  [PAD.03X.05]  148.59,88.65 0 bottom
TP39  TP-3x5  [PAD.03X.05]  148.59,86.11 0 bottom
TP40  TP-3x5  [PAD.03X.05]  146.05,91.19 0 bottom
TP41  TP-3x5  [PAD.03X.05]  146.05,88.65 0 bottom
TP42  TP-3x5  [PAD.03X.05]  146.05,86.11 0 bottom
TP43  TP-3x5  [PAD.03X.05]  220.98,91.19 0 bottom
TP44  TP-3x5  [PAD.03X.05]  220.98,88.65 0 bottom
TP45  TP-3x5  [PAD.03X.05]  220.98,86.11 0 bottom
TP46  TP-3x5  [PAD.03X.05]  218.44,91.19 0 bottom
TP47  TP-3x5  [PAD.03X.05]  218.44,88.65 0 bottom
TP48  TP-3x5  [PAD.03X.05]  218.44,86.11 0 bottom
TP49  TP-3x5  [PAD.03X.05]  293.37,91.19 0 bottom
TP50  TP-3x5  [PAD.03X.05]  293.37,88.65 0 bottom
TP51  TP-3x5  [PAD.03X.05]  293.37,86.11 0 bottom
TP52  TP-3x5  [PAD.03X.05]  290.83,91.19 0 bottom
TP53  TP-3x5  [PAD.03X.05]  290.83,88.65 0 bottom
TP54  TP-3x5  [PAD.03X.05]  290.83,86.11 0 bottom
TP55  TP-3x5  [PAD.03X.05]  365.76,91.19 0 bottom
TP56  TP-3x5  [PAD.03X.05]  365.76,88.65 0 bottom